# Allegro board STARRYSKY.brd (continued)
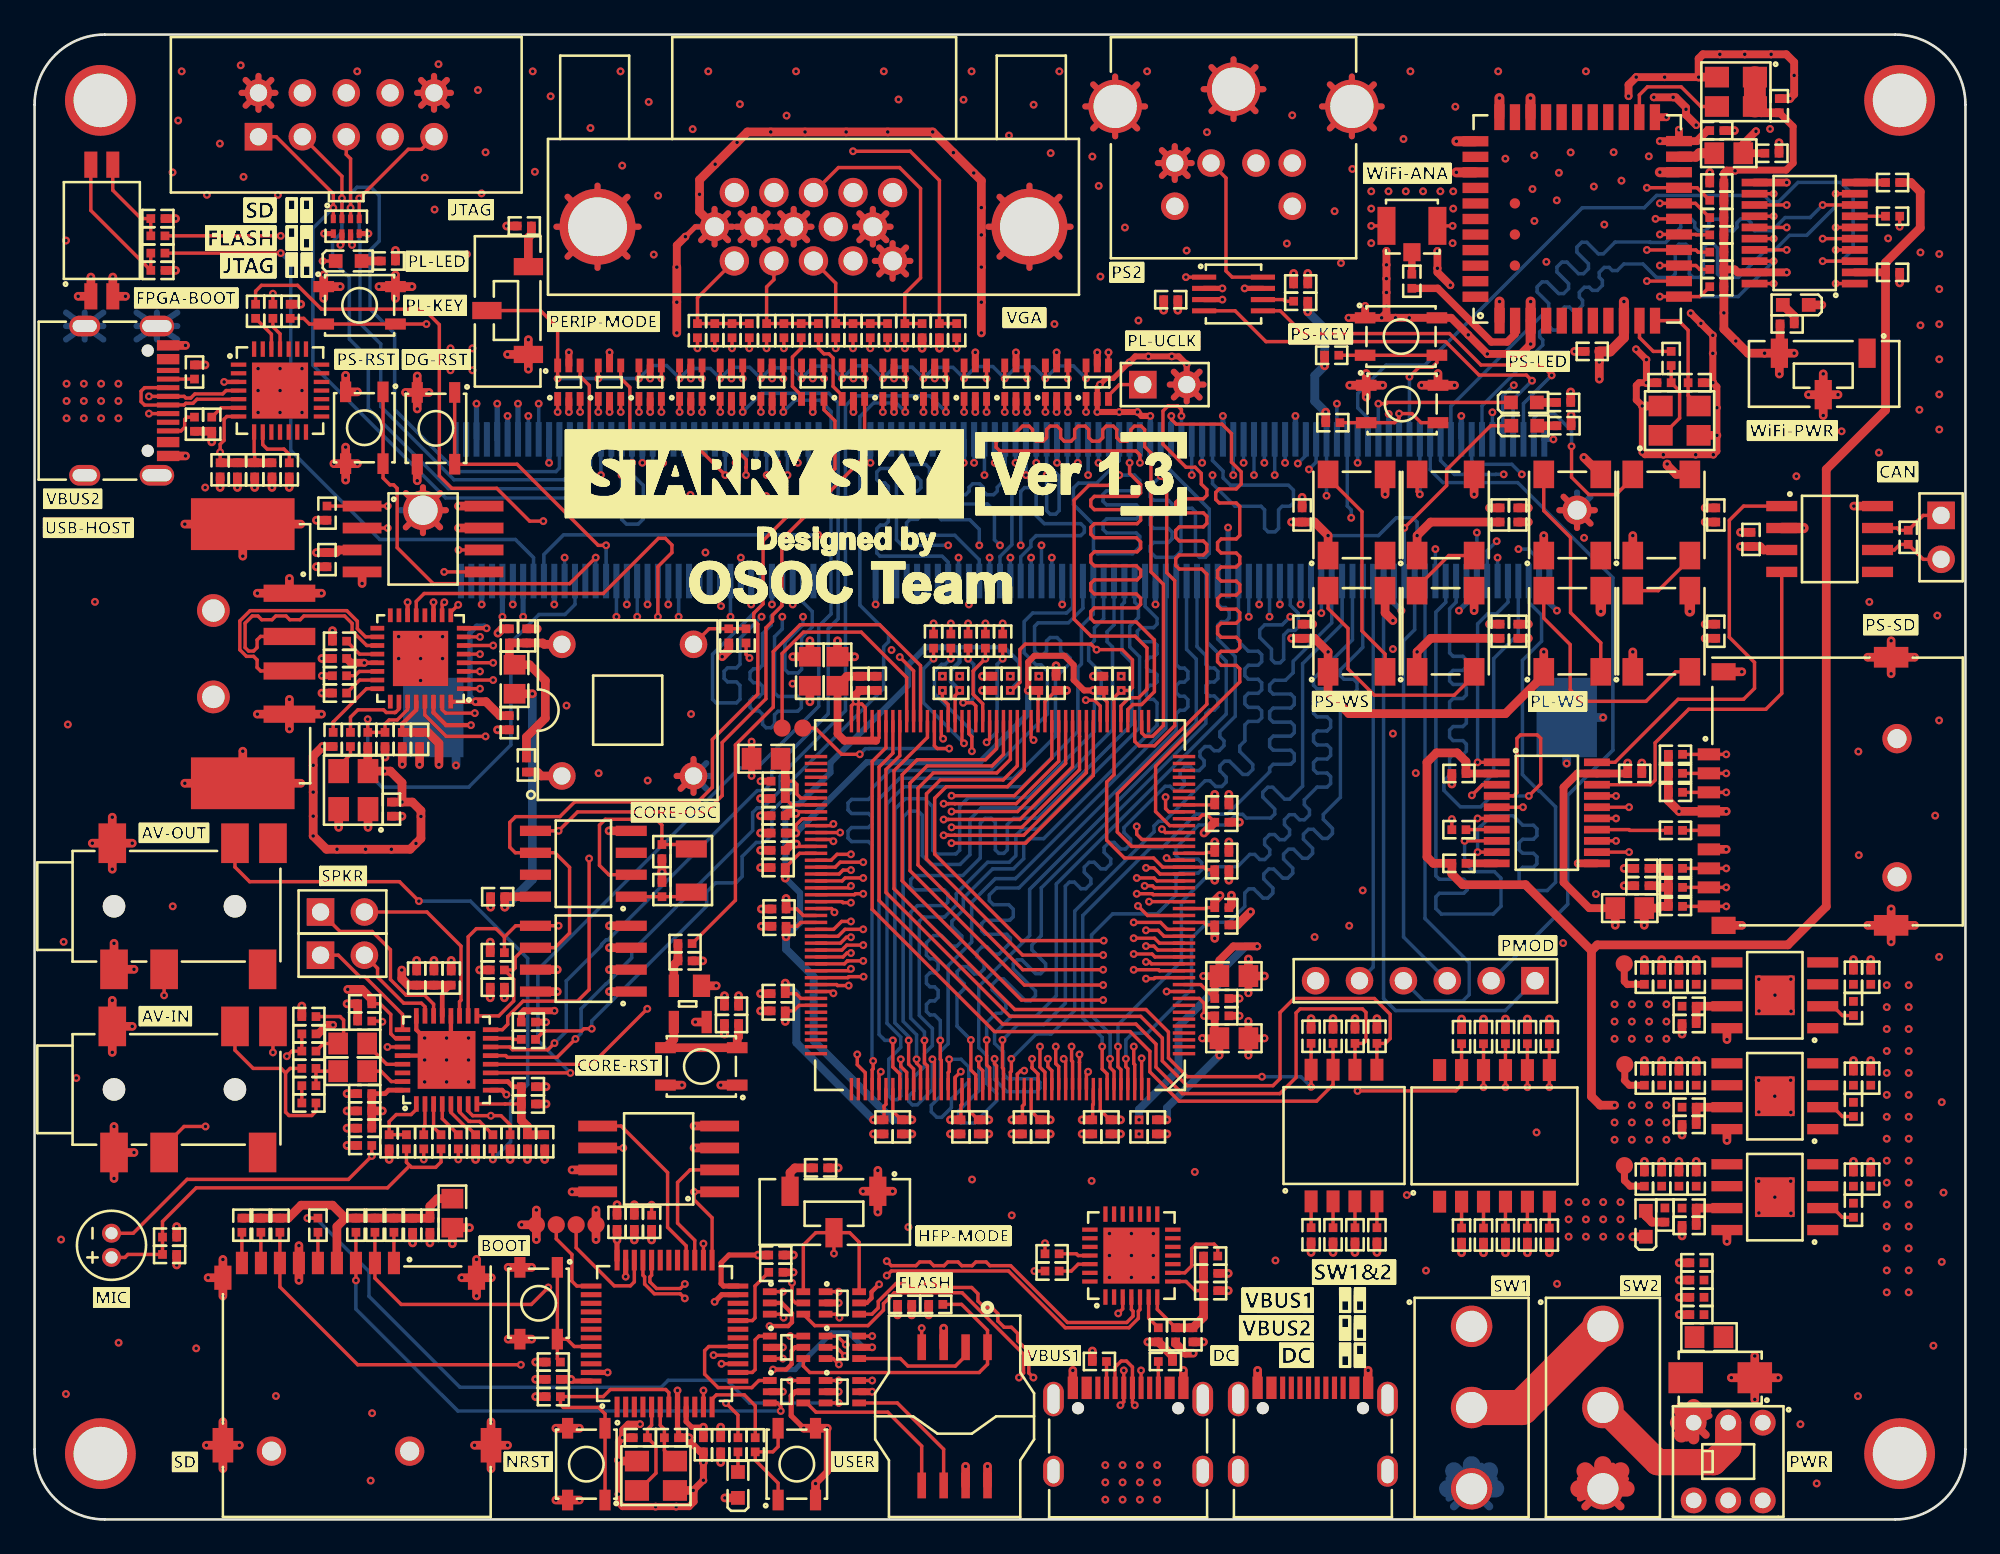
[diagram p0: board, top side]
## Routing (per net, layer and track width the routed paths; a pad name or vN(x,y) marks a point on that pad's centre or on a via; arc(x,y) is an arc through that point) (continued)
  BOTTOM w0.203: J20.66 v1(43.88,52.96)
IO34_20_P: length 46.4
  TOP w0.203: v1(47.25,33.7) 46.99,33.7 46.65,33.36 U3.116
  ART03 w0.203: v1(47.25,33.7) 46.4,33.7 45.78,34.32 45.78,35.4 45.98,35.6 46.51,35.6 46.71,35.81 46.71,36.21 46.51,36.42 45.98,36.42 45.78,36.62 45.78,37.02 45.98,37.23 46.46,37.23 46.66,37.43 46.66,37.84 46.46,38.04 45.98,38.04 45.78,38.24 45.78,40.46 46.48,41.16 46.48,42.14 46.27,42.35 45.54,42.35 45.33,42.55 45.33,42.96 45.54,43.16 46.27,43.16 46.48,43.36 46.48,43.77 46.27,43.97 45.54,43.97 45.33,44.17 45.33,44.58 45.54,44.78 46.27,44.78 46.48,44.99 46.48,45.39 46.27,45.6 45.54,45.6 45.33,45.8 45.33,46.21 45.54,46.41 46.27,46.41 46.48,46.61 46.48,47.02 46.27,47.22 45.54,47.22 45.33,47.43 45.33,47.83 45.54,48.04 46.27,48.04 46.48,48.24 46.48,48.65 46.27,48.85 45.54,48.85 45.33,49.05 45.33,49.46 45.54,49.66 46.27,49.66 46.48,49.86 46.48,50.19 45.93,50.74 45.93,51.04 46.49,51.6 46.49,52.05 46.29,52.25 v1(44.48,52.25)
  BOTTOM w0.203: J20.68 44.48,53.09 45.01,52.56 45.01,51.66 44.4,51.05 44.4,49.21 44.19,49 43.63,49 43.43,49.21 43.43,50.74 44.48,51.8 v1(44.48,52.25)
IO34_21_N: length 44.2
  TOP w0.203: v1(55.11,27.76) 55.11,26.31 55.28,26.14 U3.153
  BOTTOM w0.203: v1(55.11,27.76) 55.11,28.76 55.65,29.3 55.93,29.3 56.22,29.58 56.22,29.87 55.43,30.67 55.43,30.95 55.76,31.29 56.09,31.29 57.36,30.02 57.65,30.02 57.93,30.31 57.93,30.59 56.64,31.88 56.64,32.17 56.86,32.39 57.15,32.39 57.95,31.6 58.23,31.6 58.52,31.88 58.52,32.17 57.72,32.97 57.72,33.25 58.27,33.8 58.27,36.56 67.79,46.08 67.79,46.65 68,46.85 68.29,46.85 68.49,47.05 68.49,47.46 68.29,47.66 68,47.66 67.79,47.87 67.79,48.27 68,48.48 68.29,48.48 68.49,48.68 68.49,49.09 68.29,49.29 68,49.29 67.79,49.49 67.79,50.01 67.28,50.52 J20.136
IO34_21_P: length 44.7
  TOP w0.203: U3.152 54.88,25.98 54.65,26.21 v1(54.65,26.66)
  BOTTOM w0.203: v1(54.65,26.66) 54.65,24.81 53.48,23.64 53.48,23.09 53.63,22.95 54.4,22.95 55.69,24.24 55.69,24.65 55.11,25.24 55.11,26.85 54.65,27.31 54.65,30.85 57.6,33.8 57.6,36.48 67.24,46.12 67.24,49.8 66.68,50.36 J20.134
IO34_22_N: length 46.3
  TOP w0.203: v1(53.07,39.15) 57.36,39.15 61.28,43.07 U3.53
  PWR04 w0.203: v1(61.58,61.16) 61.58,60.58 63.06,59.1 63.06,49.29 63.35,49 63.35,47.8 63.06,47.51 63.06,40.64 61.57,39.15 v1(53.07,39.15)
  BOTTOM w0.203: J20.117 v1(61.58,61.16)
IO34_22_P: length 45.6
  TOP w0.203: v1(52.62,39.6) 52.88,39.6 52.88,39.61 53.26,39.61 53.26,39.6 57.25,39.6 60.88,43.23 U3.54
  PWR04 w0.203: v1(60.98,60.45) 60.98,59.99 62.6,58.37 62.6,49.16 62.32,48.88 62.32,47.92 62.6,47.63 62.6,41.19 61.02,39.61 52.88,39.61 52.88,39.6 v1(52.62,39.6)
  BOTTOM w0.203: J20.115 v1(60.98,60.45)
IO34_23_N: length 12.3
  TOP w0.203: U38.4 v1(62.16,67.56)
  PWR04 w0.203: v1(56.78,61.16) 57.24,61.16 58.57,62.5 60.71,62.5 62.16,63.95 v1(62.16,67.56)
  BOTTOM w0.203: J20.101 v1(56.78,61.16)
IO34_23_P: length 44.7
  TOP w0.203: U3.59 58.88,44.06 56.71,41.89 v1(53.07,41.89)
  PWR04 w0.203: v1(57.38,60.45) 56.34,59.41 56.34,56.48 56.94,55.88 56.94,49.3 58.37,47.87 58.37,45.02 57.69,44.34 57.69,42.09 57.49,41.89 57.06,41.89 56.85,42.09 56.85,46.21 56.65,46.42 56.25,46.42 56.05,46.21 56.05,42.14 55.8,41.89 54.96,41.89 54.27,42.58 53.76,42.58 v1(53.07,41.89)
  BOTTOM w0.203: J20.103 v1(57.38,60.45)
IO34_24_N: length 44.9
  TOP w0.203: v1(47.96,32.33) 47.06,32.33 47.06,32.33 47.04,32.33 46.87,32.16 U3.119
  ART03 w0.203: v1(42.68,52.96) 42.22,52.96 41.27,53.91 41.27,54.53 41.51,54.76 41.8,54.76 42.25,54.31 42.54,54.31 42.82,54.6 42.82,54.89 42.37,55.34 42.37,55.63 42.66,55.91 42.95,55.91 43.4,55.46 43.69,55.46 43.97,55.75 43.97,56.04 43.52,56.49 43.52,56.78 43.86,57.11 44.54,57.11 45.19,56.46 45.19,55.85 43.27,53.93 43.27,52.9 42.68,52.32 42.68,47.76 43.09,47.35 43.09,37.7 42.69,37.3 42.69,34.89 43.04,34.54 43.04,33.54 43.31,33.27 44.31,33.27 45.25,32.33 v1(47.96,32.33)
  BOTTOM w0.203: J20.62 v1(42.68,52.96)
IO34_24_P: length 45.4
  TOP w0.203: v1(47.25,32.79) 47.02,32.79 46.79,32.56 U3.118
  ART03 w0.203: v1(47.25,32.79) 45.54,32.79 44.2,34.14 44.2,38.15 44.55,38.5 44.55,39.89 44.25,40.19 43.87,40.19 43.61,40.45 43.61,47.89 43.28,48.22 v1(43.28,52.25)
  BOTTOM w0.203: J20.64 43.28,52.92 42.64,52.27 42.64,51.78 42.14,51.27 42.14,49.45 41.93,49.25 41.61,49.25 41.41,49.04 41.41,48.64 41.61,48.43 41.93,48.43 42.14,48.23 42.14,47.82 41.93,47.62 41.61,47.62 41.41,47.42 41.41,47.01 41.61,46.81 41.93,46.81 42.14,46.6 42.14,46.03 42.34,45.83 42.63,45.83 42.83,46.03 42.83,46.58 43.03,46.78 44.18,46.78 44.38,46.99 44.38,47.44 44.18,47.64 43.03,47.64 42.83,47.84 42.83,51.1 43.28,51.55 v1(43.28,52.25)
IO34_25: length 44.2
  TOP w0.203: U3.48 63.28,46.89 63.56,47.17 64.07,47.17 64.81,47.91 64.81,50.91 63.77,51.95 61.34,51.95 61.14,52.15 61.14,52.56 61.34,52.76 63.82,52.76 64.02,52.97 64.02,53.33 63.77,53.58 61.34,53.58 61.14,53.78 61.14,54.19 61.34,54.39 63.82,54.39 64.02,54.59 64.02,54.95 63.77,55.2 61.34,55.2 61.14,55.4 61.14,55.81 61.34,56.01 63.82,56.01 64.02,56.22 64.02,56.58 63.77,56.83 61.34,56.83 61.14,57.03 61.14,57.44 61.34,57.64 63.82,57.64 64.02,57.84 64.02,58.21 63.77,58.45 61.34,58.45 61.14,58.66 61.14,59.02 61.34,59.22 63.82,59.22 64.02,59.42 64.02,59.9 63.38,60.54 v1(63.38,61.16)
  BOTTOM w0.203: J20.123 v1(63.38,61.16)
IO35_3_N: length 45.3
  TOP w0.203: v1(62.71,27.37) 62.71,26.21 62.88,26.03 U3.172
  BOTTOM w0.203: J20.166 76.28,50.92 74.03,48.66 74.03,48.29 74.23,48.08 74.81,48.08 75.02,47.88 75.02,47.47 74.81,47.27 74.23,47.27 74.03,47.07 74.03,46.66 74.23,46.46 74.81,46.46 75.02,46.25 75.02,45.85 74.81,45.64 74.23,45.64 74.03,45.44 74.03,45.03 74.23,44.83 74.81,44.83 75.02,44.63 75.02,44.22 74.81,44.02 74.23,44.02 74.03,43.82 74.03,43.41 74.23,43.21 74.81,43.21 75.02,43 75.02,42.6 74.81,42.39 74.23,42.39 73.49,41.66 73.49,41.37 73.79,41.07 73.79,40.79 73.5,40.5 73.22,40.5 72.92,40.8 72.63,40.8 72.35,40.51 72.35,40.22 72.64,39.92 72.64,39.64 72.35,39.35 72.07,39.35 71.77,39.65 71.48,39.65 71.2,39.36 71.2,39.07 71.49,38.78 71.49,38.49 71.2,38.2 70.92,38.2 70.62,38.5 70.33,38.5 69.62,37.79 68.42,37.79 66.38,35.74 66.38,32.3 62.71,28.63 v1(62.71,27.37)
IO35_3_P: length 45.2
  TOP w0.203: U3.173 63.28,26.09 63.17,26.21 v1(63.17,26.66)
  BOTTOM w0.203: v1(63.17,26.66) 63.17,27.76 63.55,28.14 64.41,28.14 66.97,30.7 66.97,33.65 67.88,34.56 69.12,34.56 70.05,35.49 70.05,36.27 70.28,36.5 70.57,36.5 71.1,35.97 71.38,35.97 71.67,36.26 71.67,36.55 71.14,37.07 71.14,37.36 71.43,37.65 71.72,37.65 72.25,37.12 72.53,37.12 72.82,37.41 72.82,37.7 72.29,38.22 72.29,38.51 72.58,38.8 72.87,38.8 73.4,38.27 73.68,38.27 73.97,38.56 73.97,38.84 73.44,39.37 73.44,39.66 73.73,39.95 74.02,39.95 74.55,39.42 74.83,39.42 75.12,39.71 75.12,39.99 74.59,40.52 74.59,40.81 75.58,41.8 75.58,47.62 75.78,47.82 76.34,47.82 76.55,48.03 76.55,48.43 76.34,48.63 75.78,48.63 75.58,48.84 75.58,49.19 76.88,50.49 J20.168
IO35_5_N: length 45.2
  TOP w0.203: U3.174 63.68,26.33 63.62,26.38 v1(63.62,27.37)
  PWR04 w0.203: v1(63.62,27.37) 63.62,28.17 65.08,29.63 68.81,29.63 69.28,30.1 69.28,30.34 71.18,32.25 71.18,32.8 75.63,37.24 75.63,60.21 v1(76.58,61.16)
  BOTTOM w0.203: J20.167 v1(76.58,61.16)
IO35_5_P: length 45.4
  TOP w0.203: U3.175 v1(64.08,26.69)
  PWR04 w0.203: v1(64.08,26.69) 64.08,27.4 65.01,28.33 68.56,28.33 69.28,29.06 69.28,29.34 69.55,29.61 70.51,29.61 71.99,31.09 71.99,32.66 76.21,36.88 v1(76.21,57.98)
  BOTTOM w0.203: J20.165 75.98,58.67 76.21,58.44 v1(76.21,57.98)
IO35_6_N: length 44.6
  TOP w0.203: v1(62.25,26.66) 62.25,26.16 62.48,25.93 U3.171
  BOTTOM w0.203: v1(62.25,26.66) 62.25,28.1 61.18,29.17 61.18,33.83 62.41,35.06 64.97,35.06 66.07,36.15 66.07,37.21 66.27,37.41 67.35,37.41 67.55,37.61 67.55,38.02 67.35,38.22 66.27,38.22 66.07,38.43 66.07,38.89 67.38,40.2 68.93,40.2 69.55,40.81 69.93,40.81 70.14,40.6 71.55,40.6 71.78,40.83 71.78,41.12 71.09,41.81 71.09,42.1 71.38,42.39 71.66,42.39 72.36,41.7 72.64,41.7 73.39,42.45 73.39,49.54 75.68,51.82 J20.164
IO35_6_P: length 44.9
  TOP w0.203: v1(61.79,27.37) 61.79,26.07 62.08,25.79 U3.170
  BOTTOM w0.203: J20.162 75.08,51.9 72.85,49.67 72.85,49.02 72.41,48.58 71.75,48.58 71.49,48.31 71.49,47.98 71.69,47.78 72.71,47.78 72.91,47.58 72.91,47.17 72.71,46.97 71.69,46.97 71.49,46.76 71.49,46.36 71.69,46.15 72.71,46.15 72.91,45.95 72.91,45.54 72.71,45.34 71.69,45.34 71.49,45.14 71.49,44.73 71.69,44.53 72.71,44.53 72.91,44.33 72.91,43.92 72.71,43.72 71.69,43.72 71.49,43.51 71.49,43.28 69.04,40.83 67.22,40.83 65.27,38.88 64.59,38.88 60.67,34.96 60.67,29.02 61.79,27.9 v1(61.79,27.37)
IO35_7_N: length 45
  TOP w0.203: v1(64.33,34.1) 65.03,34.1 65.37,33.76 U3.18
  PWR04 w0.203: v1(71.18,61.16) 71.18,58.02 68.52,55.36 68.52,50.84 71.64,47.72 71.64,47.39 71.44,47.19 71.06,47.19 70.86,46.99 70.86,46.58 71.06,46.38 71.44,46.38 71.64,46.17 71.64,45.77 71.44,45.56 71.06,45.56 70.86,45.36 70.86,44.95 71.06,44.75 71.44,44.75 71.64,44.55 71.64,44.14 71.44,43.94 71.06,43.94 70.86,43.73 70.86,43.33 71.06,43.12 71.44,43.12 71.64,42.92 71.64,42.51 71.44,42.31 71.06,42.31 70.86,42.11 70.86,41.7 71.06,41.5 71.44,41.5 71.64,41.3 71.64,40.89 71.44,40.69 71.06,40.69 70.86,40.48 70.86,40.08 71.06,39.87 71.44,39.87 71.64,39.67 71.64,39.26 71.44,39.06 71.06,39.06 70.86,38.86 70.86,38.45 71.06,38.25 71.44,38.25 71.64,38.04 71.64,37.49 69.32,35.17 67.38,35.17 66.31,34.1 v1(64.33,34.1)
  BOTTOM w0.203: J20.149 v1(71.18,61.16)
IO35_7_P: length 44.3
  TOP w0.203: U3.19 65.57,34.16 65.17,34.56 v1(63.62,34.56)
  PWR04 w0.203: v1(70.58,60.45) 70.58,59.57 67.9,56.89 67.9,50.21 70.07,48.05 70.07,47.72 69.86,47.52 69.05,47.52 68.85,47.32 68.85,46.91 69.05,46.71 69.86,46.71 70.07,46.5 70.07,46.1 69.86,45.89 69.05,45.89 68.85,45.69 68.85,45.28 69.05,45.08 69.86,45.08 70.07,44.88 70.07,44.47 69.86,44.27 69.05,44.27 68.85,44.06 68.85,43.66 69.05,43.45 69.86,43.45 70.07,43.25 70.07,41.35 69.28,40.57 69.28,39.72 70.13,38.87 70.13,37.89 69.7,37.46 68.12,37.46 67.85,37.19 67.85,36.9 66.87,35.92 66.87,35.92 65.52,34.56 v1(63.62,34.56)
  BOTTOM w0.203: J20.147 v1(70.58,60.45)
IO35_8_N: length 11.4
  TOP w0.203: U25.4 v1(50.4,66.04)
  PWR04 w0.203: v1(50.4,66.04) 50.95,65.5 50.95,63.56 50.19,62.8 49.01,62.8 47.38,61.16 v1(45.38,61.16)
  BOTTOM w0.203: J20.71 v1(45.38,61.16)
IO35_8_P: length 10.4
  TOP w0.203: U33.4 v1(48.04,66.04)
  PWR04 w0.203: v1(48.04,66.04) 48.04,63.76 46.72,62.44 45.62,62.44 44.78,61.6 v1(44.78,60.45)
  BOTTOM w0.203: J20.69 v1(44.78,60.45)
IO35_9_N: length 45.2
  TOP w0.203: v1(64.33,33.19) 64.79,33.19 65.01,32.96 U3.16
  PWR04 w0.203: v1(64.33,33.19) 64.36,33.19 65.13,32.42 66.68,32.42 67.85,33.59 67.85,33.83 68.12,34.1 70.45,34.1 74.01,37.66 74.01,38.2 73.8,38.41 73.73,38.41 73.53,38.61 73.53,39.02 73.73,39.22 73.8,39.22 74.01,39.42 74.01,39.83 73.8,40.03 73.73,40.03 73.53,40.23 73.53,40.64 73.73,40.84 73.8,40.84 74.01,41.05 74.01,41.45 73.8,41.66 73.73,41.66 73.53,41.86 73.53,42.27 73.73,42.47 73.8,42.47 74.01,42.67 74.01,43.08 73.8,43.28 73.73,43.28 73.53,43.49 73.53,43.89 73.73,44.1 73.8,44.1 74.01,44.3 74.01,44.7 73.8,44.91 73.73,44.91 73.53,45.11 73.53,45.52 73.73,45.72 73.8,45.72 74.01,45.92 74.01,46.33 73.8,46.53 73.73,46.53 73.53,46.74 73.53,47.14 73.73,47.35 73.8,47.35 74.01,47.55 74.01,47.88 69.76,52.13 69.76,54.68 72.3,57.22 72.3,60.63 72.38,60.71 v1(72.38,61.16)
  BOTTOM w0.203: J20.153 v1(72.38,61.16)
IO35_9_P: length 45
  TOP w0.203: U3.17 65.11,33.36 64.82,33.65 v1(63.62,33.65)
  PWR04 w0.203: v1(63.62,33.65) 66.94,33.65 67.76,34.47 69.93,34.47 70.18,34.72 70.58,34.72 70.84,34.99 70.84,35.38 72.91,37.44 72.91,37.84 72.7,38.04 72.61,38.04 72.41,38.24 72.41,38.65 72.61,38.85 72.7,38.85 72.91,39.05 72.91,39.46 72.7,39.66 72.61,39.66 72.41,39.87 72.41,40.27 72.61,40.48 72.7,40.48 72.91,40.68 72.91,41.09 72.7,41.29 72.61,41.29 72.41,41.49 72.41,41.9 72.61,42.1 72.7,42.1 72.91,42.31 72.91,42.71 72.7,42.92 72.61,42.92 72.41,43.12 72.41,43.52 72.61,43.73 72.7,43.73 72.91,43.93 72.91,44.34 72.7,44.54 72.61,44.54 72.41,44.74 72.41,45.15 72.61,45.35 72.7,45.35 72.91,45.56 72.91,45.96 72.7,46.17 72.61,46.17 72.41,46.37 72.41,46.78 72.61,46.98 72.7,46.98 72.91,47.18 72.91,47.65 69.14,51.42 69.14,54.98 71.78,57.62 v1(71.78,60.45)
  BOTTOM w0.203: J20.151 v1(71.78,60.45)
IO35_10_N: length 44.5
  TOP w0.203: v1(56.02,27.76) 56.02,26.14 56.08,26.09 U3.155
  BOTTOM w0.203: J20.140 68.48,52.99 68.68,52.78 68.94,52.78 69.14,52.58 69.14,52.17 68.94,51.97 68.68,51.97 68.48,51.77 68.48,50.96 69.49,49.95 69.49,46.49 68.6,45.6 68.6,45.31 68.84,45.07 68.84,44.79 68.56,44.5 68.27,44.5 68.03,44.74 67.74,44.74 67.45,44.45 67.45,44.16 67.69,43.92 67.69,43.64 67.41,43.35 67.12,43.35 66.88,43.59 66.59,43.59 66.3,43.3 66.3,43.01 66.54,42.77 66.54,42.49 66.26,42.2 65.97,42.2 65.73,42.44 65.44,42.44 63.06,40.05 63.06,39.77 63.44,39.39 63.44,39.1 63.15,38.81 62.86,38.81 62.48,39.19 62.19,39.19 61.91,38.9 61.91,38.62 62.29,38.24 62.29,37.95 62,37.66 61.71,37.66 61.33,38.04 61.04,38.04 60.76,37.75 60.76,37.47 61.14,37.09 61.14,36.8 60.85,36.51 60.56,36.51 60.18,36.89 59.9,36.89 59.66,36.66 59.66,29.88 58.42,28.64 56.92,28.64 56.03,27.76 v1(56.02,27.76)
IO35_10_P: length 44.2
  TOP w0.203: v1(55.57,26.66) 55.56,26.66 55.56,26.38 55.68,26.26 U3.154
  BOTTOM w0.203: v1(55.57,26.66) 55.57,25.48 56.28,24.76 57.99,24.76 58.19,24.97 58.19,25.31 57.99,25.51 56.35,25.51 56.08,25.78 56.08,27.05 55.57,27.57 55.57,28.14 56.56,29.13 57.96,29.13 59.14,30.31 59.14,36.78 68.97,46.61 68.97,49.68 67.88,50.77 J20.138
IO35_11_N: length 44.1
  TOP w0.203: v1(49.68,27.73) 49.68,26.19 50.08,25.79 U3.140
  BOTTOM w0.203: v1(49.68,27.73) 49.22,27.73 48.88,28.07 48.88,41.71 50.07,42.9 56.65,42.9 59.09,45.33 59.09,48.72 59.94,49.57 59.94,49.86 59.74,50.06 59.59,50.06 59.39,50.27 59.39,50.85 59.18,51.05 58.78,51.05 58.57,50.85 58.57,50.27 58.37,50.06 58.08,50.06 57.88,50.27 57.88,51.7 58.08,51.9 59.83,51.9 60.68,52.75 J20.114
IO35_11_P: length 44.7
  TOP w0.203: v1(48.54,26.54) 48.54,26.08 48.48,26.03 U3.136
  BOTTOM w0.203: v1(48.54,26.54) 48.47,26.61 48.47,39.04 48.27,39.24 47.29,39.24 47.08,39.44 47.08,39.85 47.29,40.05 48.27,40.05 48.47,40.26 48.47,40.66 48.27,40.87 47.29,40.87 47.08,41.07 47.08,41.47 47.29,41.68 48.27,41.68 48.47,41.88 48.47,42.32 49.5,43.36 55.36,43.36 58.62,46.62 58.62,49.11 58.26,49.47 57.97,49.47 57.28,50.16 57.28,51.97 57.78,52.47 59.74,52.47 60.08,52.81 J20.112
IO35_12_N: length 44.1
  TOP w0.203: U3.146 52.48,26.58 52.42,26.64 v1(52.42,27.73)
  BOTTOM w0.203: J20.126 64.28,52.85 64.97,52.16 64.97,51.83 64.77,51.62 64.03,51.62 63.83,51.42 63.83,51.01 64.03,50.81 64.77,50.81 64.97,50.61 64.97,50.11 64.77,49.91 64.56,49.91 64.36,49.71 64.36,49.3 64.56,49.1 64.77,49.1 64.97,48.89 64.97,48.49 64.77,48.29 64.56,48.29 64.36,48.08 64.36,47.68 64.56,47.47 64.77,47.47 64.97,47.27 64.97,45.97 58.41,39.41 57.56,39.41 57.25,39.1 57.25,38.25 56.66,37.66 55.46,37.66 53.76,35.96 53.76,35.29 53.1,34.63 53.1,34.34 53.67,33.77 53.67,33.48 53.38,33.19 53.1,33.19 52.49,33.8 52.03,33.8 51.62,33.39 51.62,32.66 51.83,32.46 52.1,32.46 52.3,32.25 52.3,31.85 52.1,31.64 51.83,31.64 51.62,31.44 51.62,31.03 51.83,30.83 52.1,30.83 52.3,30.63 52.3,30.22 52.1,30.02 51.83,30.02 51.62,29.81 51.62,29.41 51.83,29.2 52.1,29.2 52.42,28.88 v1(52.42,27.73)
IO35_12_P: length 44.2
  TOP w0.203: v1(51.97,26.64) 52.08,26.52 U3.145
  BOTTOM w0.203: J20.124 63.68,53.09 63.89,52.88 63.89,52.2 63.39,51.7 63.39,50.51 63.96,49.94 63.96,45.83 58.08,39.96 57.16,39.96 56.8,39.6 56.8,38.42 56.42,38.05 55.17,38.05 53.35,36.22 53.35,35.55 52.67,34.87 51.45,34.87 51.21,34.63 51.21,29.17 51.97,28.42 51.97,27.43 51.51,26.97 51.51,26.22 50.9,25.61 50.9,24.81 50.6,24.51 50.6,24.2 50.81,24 51.1,24 51.97,24.87 v1(51.97,26.64)
IO35_13_N: length 10.6
  TOP w0.203: U36.4 v1(36.28,66.04)
  PWR04 w0.203: v1(41.78,61.16) 40.34,62.61 38.05,62.61 36.81,63.85 36.81,65.52 v1(36.28,66.04)
  BOTTOM w0.203: J20.59 v1(41.78,61.16)
IO35_13_P: length 14.3
  TOP w0.203: U35.4 33.93,66.06 34.46,65.53 34.46,63.1 34.66,62.9 39.63,62.9 41.19,61.34 41.19,60.92 41.18,60.91 v1(41.18,60.45)
  BOTTOM w0.203: J20.57 v1(41.18,60.45)
IO35_14_N: length 46.3
  TOP w0.203: v1(57.74,26.66) 57.74,26.17 57.74,26.17 57.74,26.13 58.08,25.79 U3.160
  ART03 w0.203: v1(70.28,52.25) 68.87,52.25 68.67,52.46 68.67,54.42 68.47,54.62 68.12,54.62 67.92,54.42 67.92,51.59 67.49,51.16 63.37,51.16 62.26,50.06 62.26,47.73 60.78,46.25 60.75,46.25 59.87,45.36 59.87,39.56 54.55,34.24 54.55,29.59 55.57,28.58 55.57,27.57 55.83,27.3 56.64,27.3 57.28,26.66 v1(57.74,26.66)
  BOTTOM w0.203: J20.146 v1(70.28,52.25)
IO35_14_P: length 44.1
  TOP w0.203: v1(56.54,26.66) 56.54,25.95 56.48,25.89 U3.156
  BOTTOM w0.203: J20.144 69.68,50.84 70.26,50.26 70.82,50.26 71.02,50.06 71.02,49.65 70.82,49.45 70.26,49.45 70.05,49.24 70.05,48.84 70.26,48.63 70.82,48.63 71.02,48.43 71.02,48.02 70.82,47.82 70.26,47.82 70.05,47.62 70.05,47.21 70.26,47.01 70.82,47.01 71.02,46.81 71.02,46.4 70.82,46.2 70.26,46.2 70.05,45.99 70.05,45.07 69.76,44.77 69.76,44.45 70.51,43.7 70.51,43.41 70.22,43.13 69.93,43.13 69.17,43.89 68.88,43.89 68.61,43.62 68.61,43.33 68.97,42.97 68.97,42.68 68.72,42.43 68.37,42.43 68.03,42.76 67.75,42.76 65.4,40.41 65.06,40.41 64.79,40.14 64.79,39.81 60.2,35.22 60.2,29.47 58.83,28.1 57.97,28.1 v1(56.54,26.66)
IO35_15_N: length 22.6
  TOP w0.203: U22.5 72.1,69.96 73.42,68.64 81.9,68.64 83.72,66.83 87.21,66.83 v1(87.81,66.23)
  BOTTOM w0.203: v1(87.81,66.23) 86.18,64.6 J20.199
IO35_15_P: length 11.2
  TOP w0.203: v1(88.96,62.12) 88.96,60.33 89.96,59.33 91.54,59.33 92.51,60.29 LED12.4
  BOTTOM w0.203: v1(88.96,62.12) 88.96,63.01 87.96,64.01 87.05,64.01 86.78,63.75 J20.201
IO35_17_N: length 44.3
  TOP w0.203: v1(64.33,32.27) 64.53,32.27 64.65,32.16 U3.14
  ART03 w0.203: v1(73.76,60.78) 74.13,60.42 74.13,58.91 73.43,58.21 73.43,55.51 73.66,55.27 73.95,55.27 74.15,55.47 74.43,55.47 74.72,55.18 74.72,54.89 74.53,54.7 74.53,54.41 74.81,54.12 75.1,54.12 75.3,54.32 75.58,54.32 75.87,54.03 75.87,53.74 75.68,53.55 75.68,53.26 75.93,53.01 75.93,47.75 73.8,45.62 68.6,45.62 66.56,43.58 66.56,33.65 65.19,32.27 v1(64.33,32.27)
  BOTTOM w0.203: v1(73.76,60.78) 74.18,61.2 J20.159
IO35_17_P: length 44.8
  TOP w0.203: U3.15 64.85,32.56 64.68,32.73 v1(63.62,32.73)
  ART03 w0.203: v1(73.12,61.12) 73.12,60.16 72.3,59.34 72.3,55.85 75.34,52.81 75.34,48.11 73.5,46.27 68.41,46.27 66.02,43.88 66.02,36.24 65.82,36.03 65.19,36.03 64.98,35.83 64.98,35.42 65.19,35.22 65.82,35.22 66.02,35.02 66.02,33.76 65,32.73 v1(63.62,32.73)
  BOTTOM w0.203: v1(73.12,61.12) 73.58,61.59 J20.157
IO35_18_N: length 76.8
  TOP w0.203: R104.1 15.58,69.52 15.91,69.2 SW17.3 SW17.4 v1(22.68,69.2)
  ART03 w0.203: v1(22.68,69.2) v1(59.03,69.2)
  PWR04 w0.203: v1(59.03,69.2) 59.67,68.56 82.34,68.56 82.79,68.11 84.75,68.11 85.62,67.24 v1(85.62,65.66)
  BOTTOM w0.203: v1(85.62,65.66) 84.98,65.02 J20.195
IO35_18_P: length 24.5
  TOP w0.203: U22.4 69.49,69.96 71.28,68.18 81.67,68.18 83.61,66.24 86.35,66.24 v1(86.67,65.92)
  BOTTOM w0.203: J20.197 85.58,64.83 v1(86.67,65.92)
IO35_19_N: length 44.1
  TOP w0.203: U3.13 65.12,31.76 65.06,31.82 v1(63.62,31.82)
  ART03 w0.203: v1(63.62,31.82) 65.37,31.82 67.12,33.57 67.12,43.27 68.87,45.02 74.07,45.02 76.5,47.45 76.5,54.57 74.36,56.71 74.36,58.05 74.78,58.48 v1(74.78,59.26)
  BOTTOM w0.203: J20.161 v1(74.78,59.26)
IO35_19_P: length 46.5
  TOP w0.203: v1(64.33,31.3) 64.79,31.3 64.84,31.36 U3.12
  PWR04 w0.203: v1(75.38,64.59) 75.38,61.19 74.16,59.97 74.16,58.01 72.67,56.52 72.67,52.93 73.29,52.31 73.29,50.45 74.88,48.86 74.88,37.53 70.98,33.63 70.58,33.63 68.87,31.92 64.94,31.92 v1(64.33,31.3)
  BOTTOM w0.203: J20.163 v1(75.38,64.59)
IO35_20_N: length 44.1
  TOP w0.203: v1(60.02,27.37) 60.02,26.56 60.08,26.5 U3.165
  ART03 w0.203: v1(73.88,52.47) 73.47,52.06 73.47,50.63 73.27,50.43 72.94,50.43 72.74,50.23 72.74,49.15 72.53,48.94 72.13,48.94 71.54,49.53 71.26,49.53 70.97,49.24 70.97,48.95 71.55,48.37 71.55,48.08 71.32,47.85 66.95,47.85 65.86,46.76 65.86,46.47 66.24,46.1 66.24,45.81 65.95,45.53 65.66,45.53 65.29,45.9 65,45.9 64.71,45.61 64.71,45.32 65.09,44.95 65.09,44.66 64.8,44.38 64.51,44.38 64.14,44.75 63.85,44.75 63.57,44.46 63.57,44.17 63.94,43.8 63.94,43.51 63.65,43.23 63.36,43.23 62.99,43.6 62.7,43.6 62.47,43.36 62.47,38.5 60.02,36.06 v1(60.02,27.37)
  BOTTOM w0.203: J20.158 v1(73.88,52.47)
IO35_20_P: length 44.2
  TOP w0.203: v1(60.48,26.92) 60.48,26.46 U3.166
  ART03 w0.203: v1(74.48,52.47) 74.48,50.47 73.65,49.64 73.65,49.08 74.22,48.5 74.22,47.88 73.19,46.84 72.57,46.84 72.37,47.04 72.37,47.22 72.16,47.42 71.76,47.42 71.55,47.22 71.55,47.04 71.35,46.84 70.95,46.84 70.74,47.04 70.74,47.22 70.54,47.42 70.13,47.42 69.93,47.22 69.93,47.04 69.73,46.84 69.32,46.84 69.12,47.04 69.12,47.22 68.91,47.42 68.51,47.42 68.3,47.22 68.3,47.04 63.27,42.01 63.27,41.73 63.48,41.52 64.77,41.52 65.12,41.17 65.12,40.83 64.88,40.58 64.36,40.58 64.03,40.91 63.55,40.91 63.16,40.53 63.16,38.48 60.48,35.8 v1(60.48,26.92)
  BOTTOM w0.203: J20.160 v1(74.48,52.47)
IO35_21_N: length 44.1
  TOP w0.203: U3.109 47.45,36.16 47.51,36.22 v1(47.96,36.22)
  ART03 w0.203: v1(47.96,36.22) 50.94,36.22 51.89,37.17 51.89,43.75 52.16,44.01 53.42,44.01 53.63,43.81 53.63,40.01 53.92,39.72 54.61,39.72 54.91,40.02 54.91,40.35 54.71,40.56 54.43,40.56 54.23,40.76 54.23,41.17 54.43,41.37 54.71,41.37 54.91,41.57 54.91,41.98 54.71,42.18 54.43,42.18 54.23,42.38 54.23,42.79 54.43,42.99 54.71,42.99 54.91,43.2 54.91,44.46 53.8,45.57 53.8,46.08 54.25,46.53 55.35,46.53 55.55,46.74 55.55,47.13 55.35,47.33 54.49,47.33 54.07,47.75 54.07,48.84 54.56,49.33 55.35,49.33 55.55,49.54 55.55,53.95 56.48,54.87 v1(56.48,55.68)
  BOTTOM w0.203: J20.100 v1(56.48,55.68)
IO35_21_P: length 45.4
  TOP w0.203: v1(47.25,36.67) 47.14,36.56 U3.108
  ART03 w0.203: v1(47.25,36.67) 50.43,36.67 51.2,37.44 51.2,47.32 52.09,48.21 52.09,49 52.36,49.27 53.14,49.27 53.49,49.62 53.49,50.2 54.57,51.27 54.57,54.09 55.88,55.4 v1(55.88,56.39)
  BOTTOM w0.203: v1(55.88,56.39) 55.56,56.71 55.56,58.37 55.15,58.78 52.62,58.78 52.42,58.98 52.42,59.62 52.75,59.95 53.08,59.95 53.28,59.75 53.28,59.52 53.49,59.32 53.89,59.32 54.1,59.52 54.1,59.75 54.3,59.95 54.7,59.95 54.91,59.75 54.91,59.52 55.11,59.32 55.52,59.32 55.72,59.52 55.72,59.75 55.92,59.95 56.28,59.95 56.57,59.66 56.57,56.43 55.88,55.74 J20.98
IO35_22_N: length 44.2
  TOP w0.203: v1(59.11,27.37) 59.11,26.38 59.28,26.21 U3.163
  ART03 w0.203: v1(72.08,52.96) 72.4,53.29 72.86,53.29 73.25,53.67 73.25,54.08 71.88,55.45 71.16,55.45 70.77,55.07 70.77,53.87 71.54,53.1 71.54,52.86 71.99,52.4 71.99,51.77 69.69,49.47 66.84,49.47 61.35,43.98 61.35,38.8 59.11,36.56 v1(59.11,27.37)
  BOTTOM w0.203: J20.152 v1(72.08,52.96)
IO35_22_P: length 44.6
  TOP w0.203: U3.164 59.68,26.55 v1(59.57,26.66)
  ART03 w0.203: v1(59.57,26.66) 59.57,36.32 61.9,38.65 61.9,43.58 66.9,48.58 69.54,48.58 72.68,51.72 v1(72.68,52.25)
  BOTTOM w0.203: J20.154 72.68,52.92 73.15,52.45 73.15,51.66 72.94,51.46 72.57,51.46 72.3,51.19 72.3,49.79 72.1,49.58 71.79,49.58 71.59,49.79 71.59,50.38 70.91,51.06 70.91,51.5 71.2,51.78 72.21,51.78 v1(72.68,52.25)
IO35_23_N: length 46.3
  TOP w0.203: v1(58.65,26.66) 58.65,26.21 58.88,25.98 U3.162
  ART03 w0.203: v1(71.48,52.25) 71.16,51.93 71.16,51.74 69.48,50.06 64.51,50.06 63.96,49.51 63.96,47.46 60.87,44.36 60.87,39.09 57.07,35.29 57.07,30.23 56.87,30.03 56.6,30.03 56.43,30.19 56.43,32.55 56.23,32.75 55.94,32.75 55.7,32.51 55.7,29.89 57.66,27.92 58.29,27.92 58.65,27.56 v1(58.65,26.66)
  BOTTOM w0.203: J20.150 v1(71.48,52.25)
IO35_23_P: length 46.5
  TOP w0.203: U3.161 58.48,25.89 58.19,26.18 v1(58.19,27.37)
  ART03 w0.203: v1(70.88,52.96) 70.2,53.65 70.2,54.64 70,54.84 69.56,54.84 69.35,54.63 69.35,53.05 69.57,52.83 70.37,52.83 70.79,52.4 70.79,52.02 70.57,51.8 69.94,51.8 68.73,50.58 64.05,50.58 63.38,49.92 63.38,47.68 60.37,44.67 60.37,39.31 55.16,34.1 55.16,29.61 57.39,27.37 v1(58.19,27.37)
  BOTTOM w0.203: J20.148 v1(70.88,52.96)
IO35_24_N: length 46
  TOP w0.203: v1(51.51,27.73) 51.51,26.42 51.68,26.25 U3.144
  BOTTOM w0.203: v1(51.51,27.73) 51.51,28.22 50.71,29.02 50.71,35.14 51.1,35.53 52.66,35.53 52.86,35.74 52.86,36.24 52.66,36.44 50.91,36.44 50.71,36.64 50.71,37.03 50.95,37.27 53.73,37.27 54.74,38.28 54.74,40.3 55.02,40.59 55.38,40.59 55.61,40.36 55.61,38.76 55.81,38.56 56.1,38.56 56.3,38.76 56.3,40.23 56.67,40.59 58.07,40.59 63.51,46.04 63.51,49.6 62.94,50.17 62.94,52.95 63.08,53.09 J20.122
IO35_24_P: length 44.4
  TOP w0.203: U3.143 51.28,26.19 51.05,26.41 v1(51.05,26.64)
  BOTTOM w0.203: J20.120 62.48,51.79 62.08,51.39 62.08,50.81 62.39,50.5 62.39,45.7 57.88,41.19 54.8,41.19 54.14,40.53 54.14,38.48 53.57,37.92 51.89,37.92 51.38,38.42 51.38,40.77 51.15,41 50.62,41 50.27,40.66 50.27,28.83 51.05,28.06 v1(51.05,26.64)
MAIN_DN: length 47.5
  TOP w0.203: J1.B7 62.54,7.63 62.54,8.81 62.9,9.17 63.2,9.17 63.54,8.82 J1.A7 63.54,6.76 63.68,6.62 v1(63.68,6.61) ; U7.4 45.16,11.22 48.24,11.22 49.14,12.12 49.14,12.49 49.76,13.12 53.69,13.12 57.24,9.57 57.24,8.48 v1(56.98,8.21)
  ART03 w0.203: v1(56.98,8.21) 50.69,8.21 50.21,7.73 50.21,4.77 50.91,4.07 62.93,4.07 63.42,4.56 63.42,6.35 v1(63.68,6.61)
